# Altium PCB JacdacBreadboardConnectorEc30 131.PcbDoc
Units mm, origin at the board's own origin, x right, y up, seen from the top; angles counter-clockwise.
Board outline 13.6 x 7 mm, 2 copper layers (Top Layer, Bottom Layer), stack 1.525 mm thick; 2 components, 3 nets, 25 pads, 2 vias.
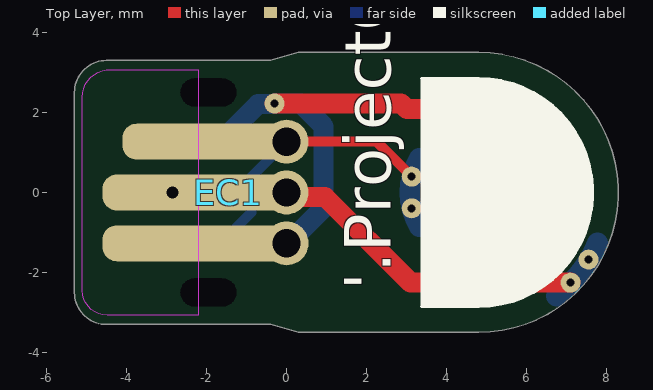
[diagram p0: Top Layer view]
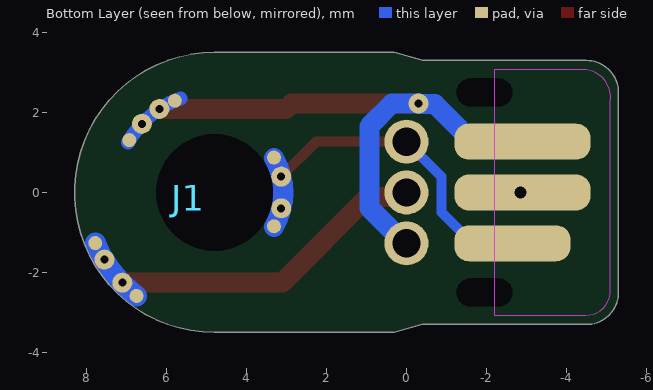
[diagram p1: Bottom Layer view, seen from below]

## Layer stack, top to bottom
Top Solder: solder mask 0.0102, Solder Resist, Dk 3.5
Top Layer: signal copper 0.0356
Dielectric 1: core 1.454, FR-4, Dk 4.2
Bottom Layer: signal copper 0.0356
Bottom Solder: solder mask 0.0102, Solder Resist, Dk 3.5

## Board outline
-5.3,-2.5 ccw(c-4.5,-2.5) -4.5,-3.3 -0.4,-3.3 0.303,-3.5 4.8,-3.5 ccw(c4.8,0) 4.8,3.5 0.303,3.5 -0.4,3.3 -4.5,3.3 ccw(c-4.5,2.5) -5.3,2.5

## Design rules (kind name [scope] priority, off if disabled: settings)
AssemblyTestPointUsage [All] p1: valid=2
BoardOutlineClearance [All] p1: gap=0.3 ignorepadtopadclearanceinfootprint=FALSE except(0: Arc-OutlineEdge Arc-SplitContinuation Track-OutlineEdge Track-SplitContinuation SMDPad-SplitContinuation THPad-SplitContinuation Via-SplitContinuation Fill-SplitContinuation Poly-SplitContinuation Region-OutlineEdge Region-SplitContinuation Text-OutlineEdge Text-SplitContinuation; 0.02: THPad-OutlineEdge; 0.05: SMDPad-OutlineEdge; 0.2: Via-OutlineEdge Fill-OutlineEdge Poly-OutlineEdge Region-CavityEdge Region-CutoutEdge Region-SplitBarrior Text-CavityEdge Text-CutoutEdge Text-SplitBarrior)
Clearance [All] p1: gap=0.13 ignorepadtopadclearanceinfootprint=FALSE
ComponentClearance MH5.0KeepoutaAreaClearance [InComponent('MH1') or InComponent('MH2')  or InComponent('MH3') or InComponent('MH4') vs InComponent('D6') or InComponent('D7') or InComponent('D8') or InComponent('D9') or InComponent('D10') or InComponent('D11') or InComponent('D12') or InComponent('D13') or InComponent('C6') or InComponent('C7') or InComponent('C8')  or  InComponent('C9') or  InComponent('C12')] p1: gap=0 collisioncheckmode=3 verticalgap=0 showdistances=FALSE
ComponentClearance [All] p2: gap=0.2 collisioncheckmode=3 verticalgap=0.2 showdistances=FALSE
DiffPairsRouting [All] p1: maxlimit=2 minlimit=0.15 mostfreqgap=0.15 toplayer_minwidth=0.15 toplayer_maxwidth=2 toplayer_prefwidth=0.15 bottomlayer_minwidth=0.15 bottomlayer_maxwidth=2 bottomlayer_prefwidth=0.15 maxuncoupledlength=25
FabricationTestPointUsage [All] p1: valid=2 allowmultiple=FALSE
HoleSize [All] p1: absolutevalues=TRUE maxlimit=5 minlimit=0.15 maxpercent=80.000 minpercent=20.000
HoleToHoleClearance [All] p1: gap=0.15 allowstackedmicrovias=TRUE
MinimumSolderMaskSliver [All] p1: minsoldermaskwidth=0.005
PlaneClearance [All] p1: clearance=0.2
PlaneConnect [All] p1: planeconnectstyle=Relief reliefexpansion=0.5 reliefentries=4 reliefconductorwidth=0.2 reliefairgap=0.3
PolygonConnect [All] p1: connectstyle=Direct reliefconductorwidth=0.2 reliefentries=4 polygonreliefangle="90 Angle" airgapwidth=0.2
RoutingVias [All] p1: holewidth=0.2 width=0.6 viastyle="Through Hole" minholewidth=0.15 minwidth=0.5 maxholewidth=0.3 maxwidth=0.8
SilkToSilkClearance [All] p1: silktosilkclearance=0
SilkToSolderMaskClearance [IsPad] p1: minsilkscreentomaskgap=0.05 clearancetoexposedcopper=TRUE
SolderMaskExpansion [All] p1: expansion=0.075 istentingtop=FALSE
UnRoutedNet [All] p1: checkbadconnections=TRUE
ViasUnderSMD [not ( HasFootprint('JACDAC_EDGE_CONNECTOR_NO_TRACES') or HasFootprint('JACDAC_EDGE_CONNECTOR_NO_TRACES_CABLE_GUIDE') or HasFootprint('JACDAC_EDGE_CONNECTOR_NO_TRACES_3D_PADS') )] p1: allowed=FALSE
Width Width_Power [InNetClass('Power')] p1: maxlimit=1 minlimit=0.2 preferedwidth=0.5
Width [All] p2: maxlimit=1 minlimit=0.13 preferedwidth=0.13 minimp=50.000000 maximp=50.000000 favimp=50.000000
18 further rules are at their usual default settings.

## Components (designator, comment, footprint, x,y, rotation, side; value= is the part's Value field where it differs from the comment)
EC1 "Jacdac edge connector" JACDAC_EDGE_CONNECTOR_NO_TRACES_3D_PADS 0.55,0 r90 top
J1 "Jacdac breadboard washer all signals" JACDAC_BREADBOARD_TRANSITION_HOLE_RINGS_ALLPINS 4.8,0 r0 top

## Footprints (in the part's own frame and the unit in brackets; to place one, negate y for a bottom-side part, rotate by r counter-clockwise, add the part's x,y. Pads: shape width x height; smd on the part's side, far side on the other; paste and mask are expansions set on the pad)
JACDAC_BREADBOARD_TRANSITION_HOLE_RINGS_ALLPINS [mm]
  round 0.5 hole 0.2 mask+0: 1(-1.669,-0.396) 1(-1.669,0.396) 2(2.303,-2.255) 2(2.751,-1.679) 3(1.376,2.087) 3(1.817,1.717)
  round 0.35 smd far side paste-1 mask+0: 1(-1.488,-0.844) 1(-1.488,0.873) 2(1.949,-2.586) 2(2.981,-1.265) 3(0.992,2.295) 3(2.13,1.309)
  round 0 hole 2.93 unplated: ""(0,0)
  Bottom Layer lines w0.35: 0.855,2.349 cw(c0,0) 2.165,1.25
  Bottom Layer lines w0.51: -1.487,-0.858 cw(c0,0) -1.487,0.858
  Bottom Layer lines w0.525: 1.949,-2.586 ccw(c0,0) 2.981,-1.265
JACDAC_EDGE_CONNECTOR_NO_TRACES_3D_PADS [mm] "Jacdac 3 pin connector with no traces and with 3D bodies for the copper"
  rrect78% 0.9x2.9 smd far side paste-1 mask+0: 1(-1.27,3.2)
  rrect78% 0.9x4.3 smd paste-1 mask+0: 1(1.27,2.5)
  round 1.1 hole 0.71 paste-0.254 mask+0: 1(1.27,0.55) 2(0,0.55) 3(-1.27,0.55)
  rrect78% 0.9x3.4 smd far side paste-1 mask+0: 2(0,3.45) 2(0,3.45) 3(1.27,3.45)
  rrect78% 0.9x4.8 smd paste-1 mask+0: 2(0,2.75) 3(-1.27,2.75)
  round 0 hole 0.7 slot 1.4 at 90 deg unplated: ""(-2.5,2.5) ""(2.5,2.5)
  Top Layer keep-out region: -3.075,2.75 -3.07,5.033 -2.987,5.341 -2.761,5.567 -2.453,5.65 -2.453,5.65 2.27,5.65 2.545,5.635 2.794,5.516 2.978,5.31 3.07,5.05 3.07,5.05 3.07,2.75
  Bottom Layer lines w0.2: -1.27,0.85 -1.126,0.85
  Bottom Layer keep-out region: -3.07,2.75 -3.07,5.033 -3.023,5.269 -2.889,5.469 -2.689,5.603 -2.453,5.65 -2.453,5.65 2.27,5.65 2.546,5.635 2.794,5.516 2.978,5.31 3.07,5.05 3.07,5.05 3.07,2.75
  body extent -1.83,0 1.83,5.15, height 0.01

## Part data
EC1: "3 pin Jacdac edge connector 1.27mm pitch", Manufacturer Part Number=n/a, ComponentLink1Description="Yuliang JACDAC cable connector drawing online", ComponentLink1URL=https://github.com/microsoft/jacdac-ddk/tree/main/connector, ComponentLink2Description="JACDAC PCB edge connector spec onlin", ComponentLink2URL=https://github.com/microsoft/jacdac-ddk/tree/main/connector, Created By="D. Gakure & S. Hodges", PCB Type="1.6mm FR4"
J1: Hole Clearance=7.0mm, Hole Size=M3

## Via types
v1: diameter 0.5, hole 0.2, Top Layer to Bottom Layer, tented both sides, 1 vias
v2: diameter 0.6, hole 0.3, Top Layer to Bottom Layer, tented both sides, 1 vias

## Nets (pads, with @x,y where several pads share a name; then routed paths per layer and width w, separated by ;. In a path a pad name is that pad's centre, name@x,y a point inside that pad or via, vN(x,y) a via of type N, cw(c..) or ccw(c..) an arc to the next point about the centre after c; other vN are vias at no path point)
GND: EC1.2 J1.2 | length 8
  Top Layer w0.5: EC1.2@0,0 0.115,-0.115 0.965,-0.115 3.105,-2.255 J1.2@7.103,-2.255
  other v2: -2.85,0
JD_DATA: EC1.1 J1.1 | length 7.7
  Top Layer w0.25: EC1.1@0,1.27 2.257,1.27 J1.1@3.13,0.398
  Bottom Layer w0.25: EC1.1@-2.65,-1.27 -1.65,-1.27 -0.875,-0.495 -0.875,0.395 EC1.1@0,1.27 ; J1.1@3.13,0.398 J1.1@3.131,0.396
JD_PWR: EC1.3 J1.3 | length 14.3
  Top Layer w0.5: v1(-0.3,2.225) 2.869,2.225 3.007,2.087 J1.3@6.176,2.087
  Bottom Layer w0.5: EC1.3@-2.9,1.27 -1.65,1.27 -0.708,2.212 v1@-0.3,2.212 ; v1(-0.3,2.225) 0.36,2.225 0.93,1.655 0.93,-0.385 0.045,-1.27 EC1.3@0,-1.27
pads on no net: EC1. J1.

## Polygon pours and split planes (outlines as drawn)
no net on Bottom Solder "NONET_L-01_P-001" (solid): 1.3,-3.5 1.3,3.5 5.001,3.494 5.001,-3.494
no net on Top Overlay "NONET_L-01_P-001" (solid): 3.373,-2.85 3.373,2.85 4.808,2.85 4.8,2.85 cw(c4.8,0) 4.8,-2.85 4.808,-2.85

## Other copper
Top Layer:
  text "GTL - Top Layer" at 0.801,-8.147 h1.7
Bottom Layer:
  text "GBL - Bottom Layer" at 0.801,-9.647 h1.7

## Silkscreen, mask and mechanical layers (free items; w line width, h text height)
Top Overlay:
  lines w0.01: 3.373,-2.85 3.373,2.85
  lines w0.08: 3.373,-2.85 4.808,-2.85 ; 3.373,2.85 4.808,2.85 ; 4.8,-2.85 ccw(c4.8,0) 4.8,2.85
  text "'.ProjectCodenameID'-'.ProjectRevision'" at 2.992,-2.445 h2 r90
  text "GTO - Top Overlay" at 15.301,-11.183 h1.7
Bottom Overlay:
  text "GBO - Bottom Overlay" at 15.301,-12.683 h1.7
Top Paste:
  text "GTP - Top Paste" at 28.501,-8.147 h1.7
Bottom Paste:
  text "GBP - Bottom Paste" at 28.501,-9.647 h1.7
Top Solder:
  text "GTS - Top Solder (resist)" at 28.501,-11.183 h1.7
Bottom Solder:
  lines w0.01: 1.3,-3.5 1.3,3.5
  lines w0.1: 5.001,-3.494 5.001,3.494
  lines w0.5: 1.3,-3.5 5.001,-3.494 ; 1.3,3.5 5.001,3.494
  text "GBS - Bottom Solder (resist)" at 28.501,-12.683 h1.7
Fabrication notes:
  lines w0.2: -7.55,-0.2 -3.7,-2.5 -1.95,-2.5 ; -7.55,0.2 -3.7,2.5 -1.95,2.5
  text "non-plated slots x2" at -18.599,-0.407 h1.7
  text "Copper up to board edge and up to non-plated hole, at customer risk." at 9,-2.409 h1.7
  text "GM3 - Fabrication Notes" at 0.801,-11.183 h1.7
Board Cutout:
  text "GM10 - Board Cutout" at 0.801,-14.183 h1.7
Board Outline:
  the board outline again, w0.1
  text "GM11 - Board Outline" at 0.801,-12.683 h1.7
Top Assy:
  text "GM15 - Top Assy" at 15.301,-8.151 h1.7
Bottom Assy:
  text "GM16 - Bottom Assy" at 15.301,-9.651 h1.7

## Text inside footprints (layer, text, board x,y; h text height)
EC1: Mechanical 9 "Jacdac / cable connector  / body" at -9.458,-4.821 h1.7 r90